# Altium PCB novena_evt1_a.PcbDoc (part 1 of 12) (continued)
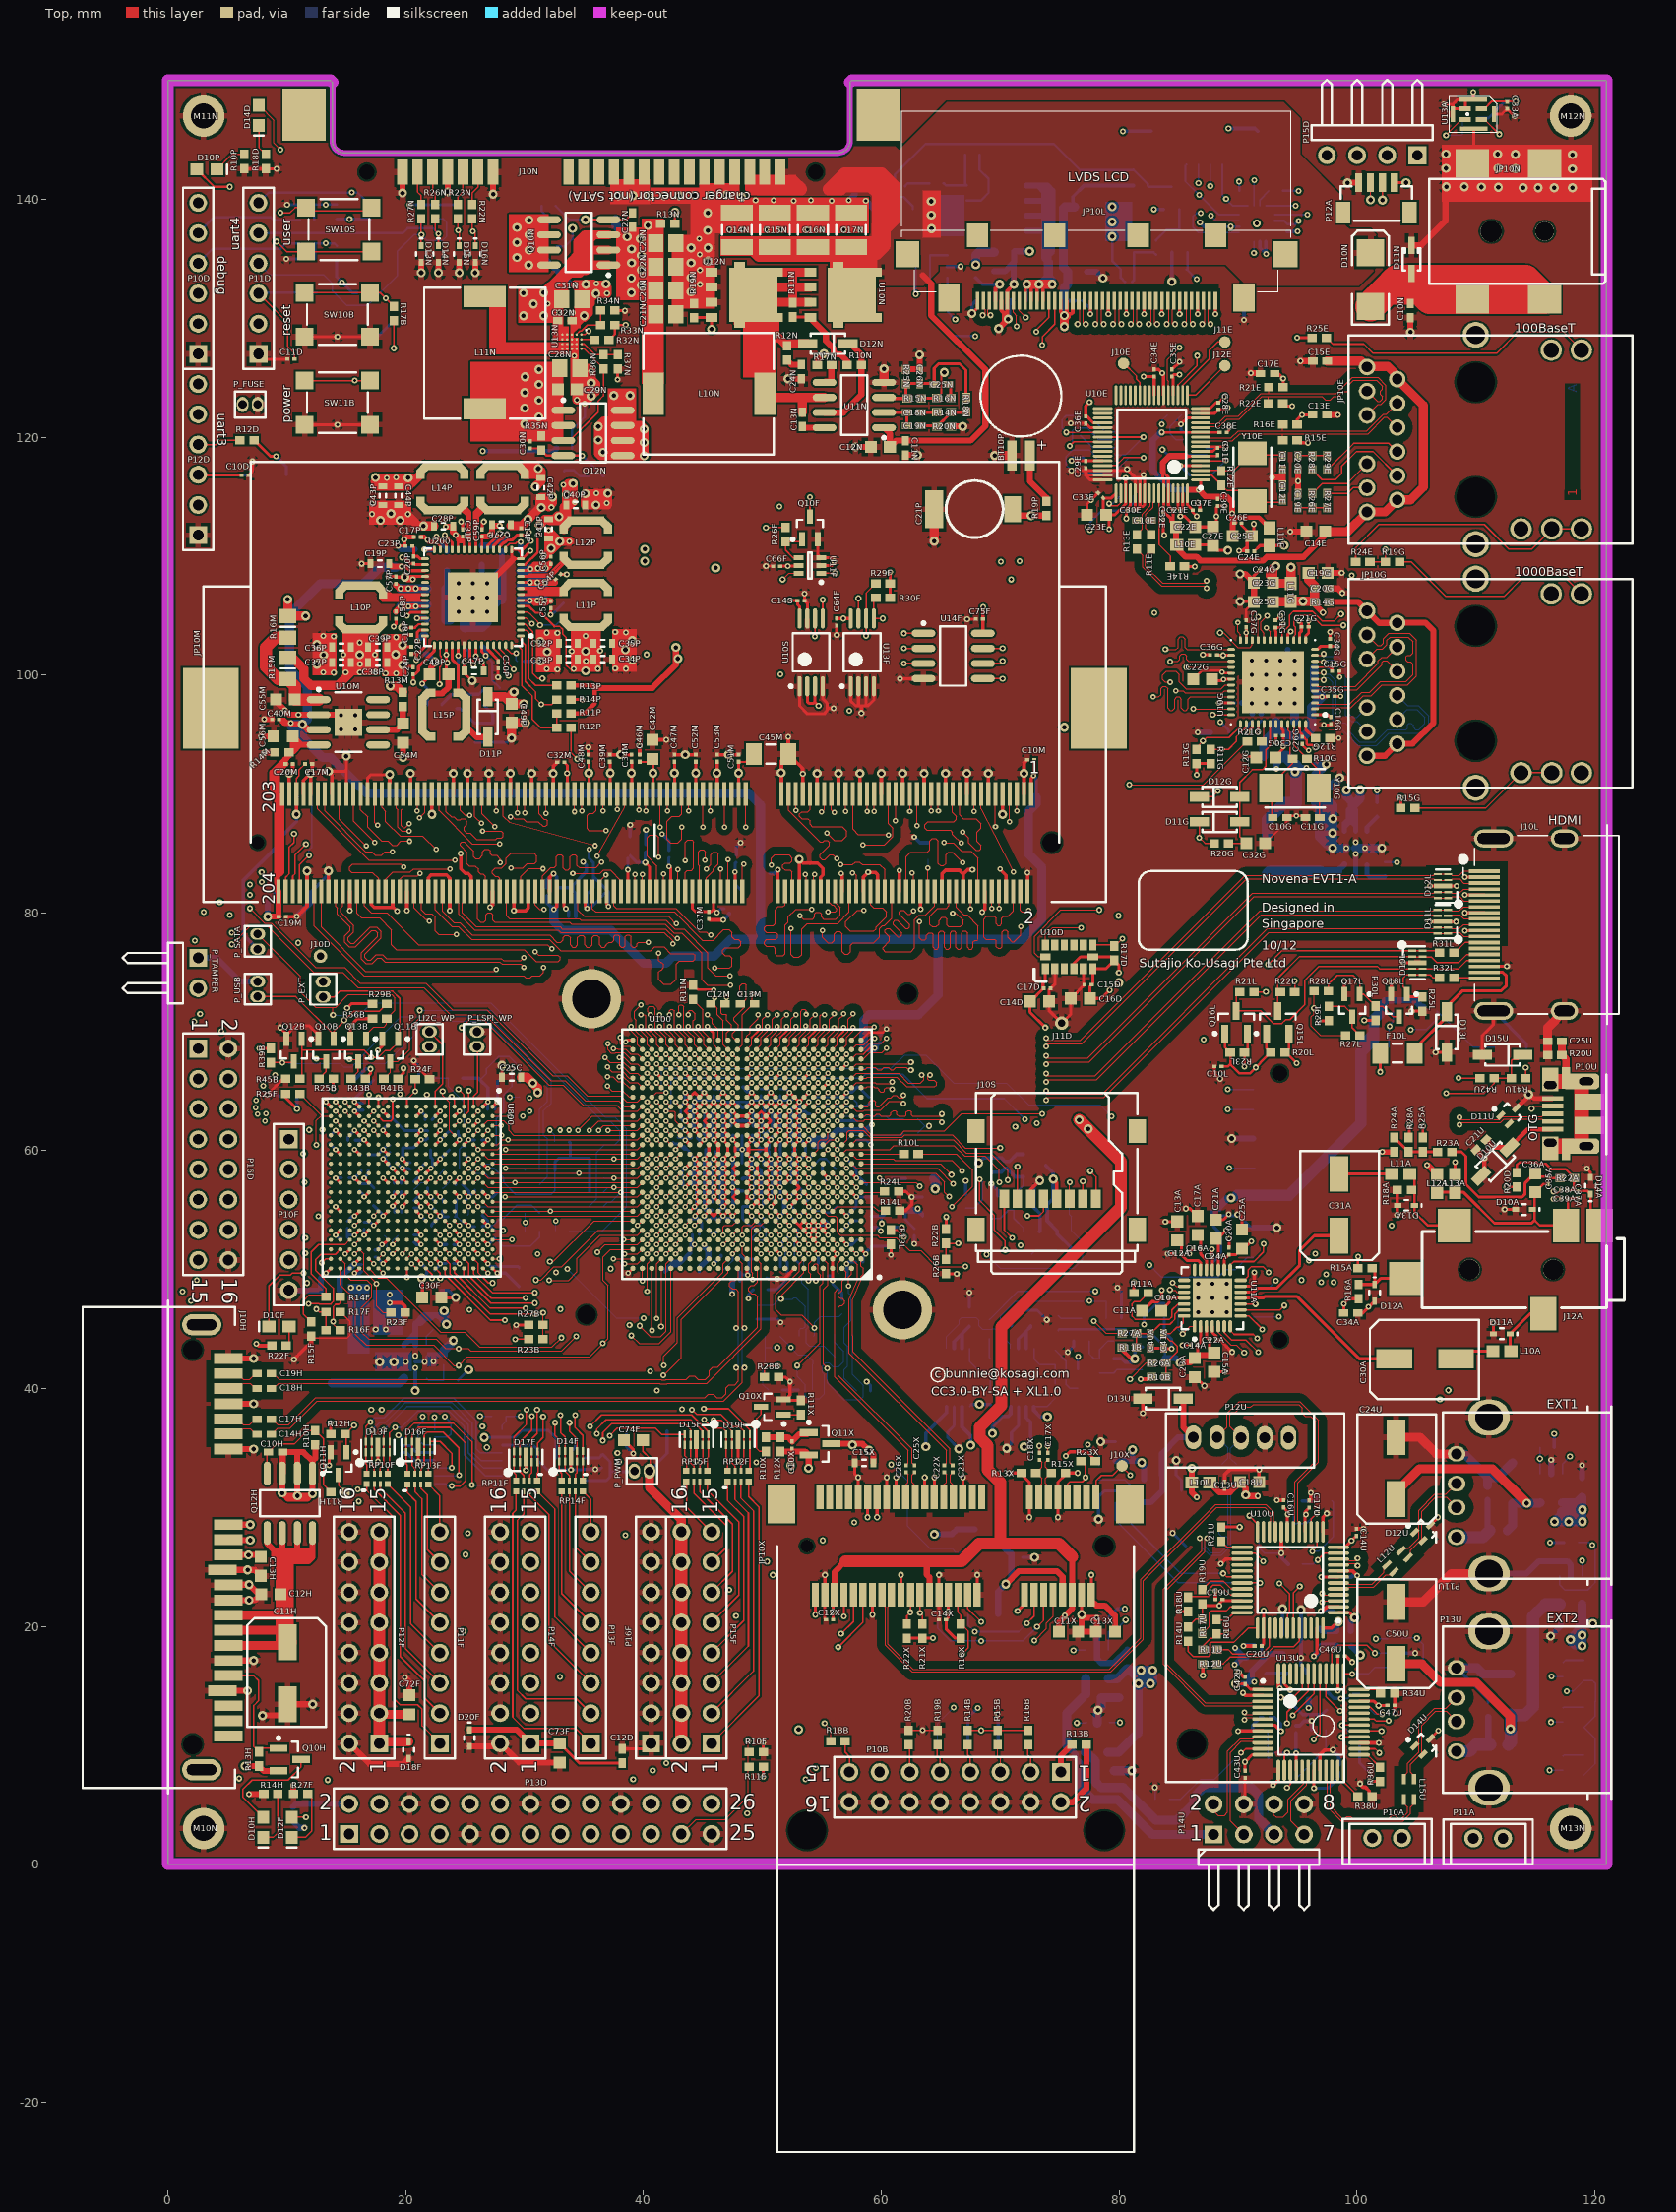
[diagram p0: Top view]
## Classes and differential pairs (continued)
net class RGM_CLK: RGMII_REF_CLK RGMII_RXCLK RGMII_RXD0 RGMII_RXD1 RGMII_RXD2 RGMII_RXD3 RGMII_RXDV RGMII_TXCLK RGMII_TXD0 RGMII_TXD1 RGMII_TXD2 RGMII_TXD3 RGMII_TXEN
net class DDR_CLK0: DDR3_CK0_N DDR3_CK0_P
net class DDR_CLK1: DDR3_CK1_N DDR3_CK1_P
net class DDR_CTL: DDR3_A0 DDR3_A1 DDR3_A2 DDR3_A3 DDR3_A4 DDR3_A5 DDR3_A6 DDR3_A7 DDR3_A8 DDR3_A9 DDR3_A10 DDR3_A11 DDR3_A12 DDR3_A13 DDR3_A14 DDR3_A15 DDR3_BA0 DDR3_BA1 DDR3_BA2 DDR3_CAS DDR3_CKE0 DDR3_CKE1 DDR3_CS0 DDR3_CS1 DDR3_ODT0 DDR3_ODT1 DDR3_RAS DDR3_RESET DDR3_WE
net class CCLK: ECSPI3_SCLK
differential pair CLK2: +CLK2_P -CLK2_N
differential pair DDR3_CK0: +DDR3_CK0_P -DDR3_CK0_N
differential pair DDR3_CK1: +DDR3_CK1_P -DDR3_CK1_N
differential pair DDR3_DQS0: +DDR3_DQS0_P -DDR3_DQS0_N
differential pair DDR3_DQS1: +DDR3_DQS1_P -DDR3_DQS1_N
differential pair DDR3_DQS2: +DDR3_DQS2_P -DDR3_DQS2_N
differential pair DDR3_DQS3: +DDR3_DQS3_P -DDR3_DQS3_N
differential pair DDR3_DQS4: +DDR3_DQS4_P -DDR3_DQS4_N
differential pair DDR3_DQS5: +DDR3_DQS5_P -DDR3_DQS5_N
differential pair DDR3_DQS6: +DDR3_DQS6_P -DDR3_DQS6_N
differential pair DDR3_DQS7: +DDR3_DQS7_P -DDR3_DQS7_N
differential pair MIC_DIFF: +MIC_DIFF_P -MIC_DIFF_N
differential pair PCIE_REFCLK: +PCIE_REFCLK_P -PCIE_REFCLK_N
differential pair PCIE_REFCLKX: +PCIE_REFCLKX_P -PCIE_REFCLKX_N
differential pair PCIE_RX: +PCIE_RX_P -PCIE_RX_N
differential pair PCIE_RXX: +PCIE_RXX_P -PCIE_RXX_N
differential pair PCIE_TX: +PCIE_TX_P -PCIE_TX_N
differential pair PCIE_TXX: +PCIE_TXX_P -PCIE_TXX_N
differential pair SATA_RX: +SATA_RX_P -SATA_RX_N
differential pair SATA_TX: +SATA_TX_P -SATA_TX_N
differential pair SATAC_RX: +SATAC_RX_P -SATAC_RX_N
differential pair SATAC_TX: +SATAC_TX_P -SATAC_TX_N
differential pair TX0_TMDS0: +TX0_TMDS0_P -TX0_TMDS0_N
differential pair TX0_TMDS1: +TX0_TMDS1_P -TX0_TMDS1_N
differential pair TX0_TMDS2: +TX0_TMDS2_P -TX0_TMDS2_N
differential pair TX0_TMDS3: +TX0_TMDS3_P -TX0_TMDS3_N
differential pair TXRXA: +TXRXA_P -TXRXA_N
differential pair TXRXB: +TXRXB_P -TXRXB_N
differential pair TXRXC: +TXRXC_P -TXRXC_N
differential pair TXRXD: +TXRXD_P -TXRXD_N
differential pair USB_ETHI: +USB_ETHI_P -USB_ETHI_N
differential pair USB_ETH: +USB_ETH_P -USB_ETH_N
differential pair USB_EXT1F: +USB_EXT1F_P -USB_EXT1F_N
differential pair USB_EXT1: +USB_EXT1_P -USB_EXT1_N
differential pair USB_EXT2F: +USB_EXT2F_P -USB_EXT2F_N
differential pair USB_EXT2: +USB_EXT2_P -USB_EXT2_N
differential pair USB_H1_D: +USB_H1_D_P -USB_H1_D_N
differential pair USB_INT: +USB_INT_P -USB_INT_N
differential pair USB_KBD: +USB_KBD_P -USB_KBD_N
differential pair USB_MOUSE: +USB_MOUSE_P -USB_MOUSE_N
differential pair USB_OPT: +USB_OPT_P -USB_OPT_N
differential pair USB_OTG: +USB_OTG_P -USB_OTG_N
differential pair USB_PCI: +USB_PCI_P -USB_PCI_N
differential pair USB_VID: +USB_VID_P -USB_VID_N
differential pair LVDS0_CLK: +LVDS0_CLK_P -LVDS0_CLK_N
differential pair LVDS0_TX_0: +LVDS0_TX_0_P -LVDS0_TX_0_N
differential pair LVDS0_TX_1: +LVDS0_TX_1_P -LVDS0_TX_1_N
differential pair LVDS0_TX_2: +LVDS0_TX_2_P -LVDS0_TX_2_N
differential pair LVDS1_CLK: +LVDS1_CLK_P -LVDS1_CLK_N
differential pair LVDS1_TX0: +LVDS1_TX0_P -LVDS1_TX0_N
differential pair LVDS1_TX1: +LVDS1_TX1_P -LVDS1_TX1_N
differential pair LVDS1_TX2: +LVDS1_TX2_P -LVDS1_TX2_N
differential pair EN100_RXI: +EN100_RXI_P -EN100_RXI_N
differential pair EN100_TXO: +EN100_TXO_P -EN100_TXO_N

## Components (designator, comment, footprint, x,y, rotation, side; value= is the part's Value field where it differs from the comment)
BT10P "ML-621S/DN (DNP)" PAN_ML-621S-DN 71.75,118.45 r270 top
C10A "0.1uF, 6.3V, X5R" CAPC0603N_B 83.9,47.65 r0 top
C10B "0.1uF, 25V, X5R (DNP)" CAPC1005N 18.9,130.3 r270 bottom
C10C "0.22uF, 6.3V, X5R 10%" CAPC0603N_B 49.375,61.325 r0 bottom
C10D "0.1uF, 6.3V, X5R" CAPC0603N_B 6.5,116.8 r0 top
C10E "3.3pF, NP0 (DNP)" CAPC1005N 82.1,113 r180 top
C10F "0.1uF, 6.3V, X5R" CAPC0603N_B 16.5,59.65 r0 bottom
C10G "33pF, NP0" CAPC1005N 93.525,88 r180 top
C10H "0.1uF, 25V, X5R" CAPC1005N 9.05,34.65 r180 top
C10L "0.1uF, 6.3V, X5R" CAPC0603N_B 88.325,67.1 r180 top
C10M "0.01uF, 10V, X5R, 10%" CAPC0603N_B 72.575,92.875 r180 top
C10N "0.1uF, 25V, X5R" CAPC1005N 104.5,130.65 r270 top
C10P "4.7uF, 10V, X5R, 10%" CAPC1608N_HD 28.875,110.4 r180 bottom
C10S "0.01uF, 10V, X5R, 10%" CAPC0603N_B 70.4,58.8 r90 bottom
C10U "4.7uF, 10V, X5R, 10% (DNP)" CAPC1608N 96.1,18.25 r180 bottom
C10X "0.1uF, 6.3V, X5R" CAPC0603N_B 52.5,35.25 r270 top
C11A "10uF, 10V, X5R, 20%" CAPC1608N 82.75,46.55 r180 top
C11B "18pF, NP0" CAPC1005N 49.55,46.25 r270 bottom
C11C "0.22uF, 6.3V, X5R 10%" CAPC0603N_B 51.275,58.125 r0 bottom
C11D "0.1uF, 6.3V, X5R" CAPC0603N_B 10.35,126.55 r180 top
C11E "33pF, NP0" CAPC1005N 93.75,117.85 r270 top
C11F "0.1uF, 6.3V, X5R" CAPC0603N_B 18.5,62.5 r90 bottom
C11G "33pF, NP0" CAPC1005N 96.275,88 r0 top
C11H "220uF, 10V, VS D" ALCAP_D 10.05,16.05 r90 top
C11L "0.1uF, 6.3V, X5R" CAPC0603N_B 54.725,57.375 r0 bottom
C11M "0.22uF, 6.3V, X5R 10%" CAPC0603N_B 50.35,83.325 r0 bottom
C11N "0.1uF, 25V, X5R" CAPC1005N 62.025,119.1 r270 top
C11P "4.7uF, 10V, X5R, 10%" CAPC1608N_HD 26.4,110.075 r270 bottom
C11S "4.7uF, 10V, X5R, 10%" CAPC1608N 73.65,55.95 r180 bottom
C11U "10uF, 10V, X5R, 20% (DNP)" CAPC1608N 96.1,19.8 r180 bottom
C11X "4.7uF, 10V, X5R, 10%" CAPC1608N 75.75,19.55 r0 top
C12A "0.1uF, 6.3V, X5R" CAPC0603N_B 84.95,51.35 r0 top
C12B "18pF, NP0" CAPC1005N 56.7,46.9 r90 bottom
C12C "0.22uF, 6.3V, X5R 10%" CAPC0603N_B 49.775,55.725 r0 bottom
C12D "0.1uF, 25V, X5R" CAPC1005N 38.2,9.1 r90 top
C12E "33pF, NP0" CAPC1005N 93.75,115.35 r90 top
C12F "0.1uF, 6.3V, X5R" CAPC0603N_B 24.1,61.625 r180 bottom
C12G "4.7uF, 10V, X5R, 10%" CAPC1608N 92.35,93.05 r180 top
C12H "10uF, 10V, X5R, 20%" CAPC1608N 8.65,22.7 r180 top
C12L "4.7uF, 10V, X5R, 10%" CAPC1608N 76.5,133.9 r0 bottom
C12M "2.2pF, NP0 (DNP)" CAPC1005N 46.25,72.35 r0 top
C12N "1.0uF, 25V, 20% X5R" CAPC1608N 59.925,119.175 r180 top
C12P "4.7uF, 10V, X5R, 10%" CAPC1608N_HD 23.475,109.575 r270 bottom
C12S "0.1uF, 6.3V, X5R" CAPC0603N_B 73.65,54.5 r180 bottom
C12U "0.1uF, 6.3V, X5R" CAPC0603N_B 98.45,24.15 r0 bottom
C12X "0.1uF, 6.3V, X5R" CAPC0603N_B 55.65,20.55 r180 top
C13A "10uF, 10V, X5R, 20%" CAPC1608N 84.9,53.25 r90 top
C13B "18pF, NP0" CAPC1005N 51.1,39.875 r0 bottom
C13C "0.22uF, 6.3V, X5R 10%" CAPC0603N_B 47.275,58.9 r180 bottom
C13D "0.1uF, 25V, X5R" CAPC1005N 10.5,4.2 r270 bottom
C13E "0.1uF, 25V, X5R" CAPC1005N 96.875,121.875 r180 top
C13F "0.1uF, 6.3V, X5R" CAPC0603N_B 13.6,60.925 r270 bottom
C13G "22uF, 6.3V, X5R, 20%" CAPC1608N_HD 95.75,92.95 r0 bottom
C13H "10uF, 10V, X5R, 20%" CAPC1608N 7.8,25.05 r270 top
C13L "0.1uF, 6.3V, X5R" CAPC0603N_B 76.6,131.475 r0 bottom
C13M "2.2pF, NP0 (DNP)" CAPC1005N 48.75,72.35 r180 top
C13N "0.1uF, 25V, X5R" CAPC1005N 53.35,121.5 r90 top
C13P "4.7uF, 10V, X5R, 10%" CAPC1608N_HD 21.55,110.575 r180 bottom
C13S "0.1uF, 6.3V, X5R" CAPC0603N_B 88.5,54.7 r270 bottom
C13U "0.1uF, 6.3V, X5R" CAPC0603N_B 88.875,31.85 r90 top
C13X "4.7uF, 10V, X5R, 10%" CAPC1608N 78.85,19.55 r180 top
C14A "0.1uF, 6.3V, X5R" CAPC0603N_B 86.3,43.65 r0 top
C14B "18pF, NP0" CAPC1005N 53.625,39.875 r180 bottom
C14C "0.22uF, 6.3V, X5R 10%" CAPC0603N_B 47.275,58.1 r180 bottom
C14D "10uF, 10V, X5R, 20%" CAPC1608N 73.3,72.55 r0 top
C14E "4.7uF, 10V, X5R, 10%" CAPC1608N 96.55,112.05 r180 top
C14F "0.1uF, 6.3V, X5R" CAPC0603N_B 14.875,52.625 r0 bottom
C14G "10uF, 10V, X5R, 20%" CAPC1608N 93.975,96.075 r0 bottom
C14H "10nF, X7R, 50V 10%" CAPC1005N 8.1,36.15 r180 top
C14L "0.1uF, 6.3V, X5R" CAPC0603N_B 80.8,133.05 r0 bottom
C14M "0.01uF, 10V, X5R, 10%" CAPC0603N_B 31.85,81.8 r90 bottom
C14N "22uF, 25V, X5R, 10%" CAPC3225N 47.85,137.425 r90 top
C14P "0.1uF, 6.3V, X5R" CAPC0603N_B 29.7,112.05 r90 top
C14S "0.1uF, 6.3V, X5R" CAPC0603N_B 53.25,106.25 r0 top
C14U "0.1uF, 6.3V, X5R" CAPC0603N_B 99.95,27.9 r90 top
C14X "0.1uF, 6.3V, X5R" CAPC0603N_B 65.15,20.55 r180 top
C15A "1.0uF, 25V, 20% X5R" CAPC1608N 88,42.2 r90 top
C15C "0.22uF, 6.3V, X5R 10%" CAPC0603N_B 52.875,62.1 r0 bottom
C15D "0.1uF, 6.3V, X5R" CAPC0603N_B 77.4,73.95 r180 top
C15E "0.1uF, 25V, X5R" CAPC1005N 96.9,126.4 r180 top
C15F "0.1uF, 6.3V, X5R" CAPC0603N_B 17.4,51.35 r270 bottom
C15G "0.1uF, 6.3V, X5R" CAPC0603N_B 98.225,100.325 r0 top
C15H "4.7uF, 10V, X5R, 10%" CAPC1608N_HD 57.075,55.3 r0 bottom
C15L "1.0uF, 25V, 20% X5R" CAPC1608N 69.5,134.75 r270 bottom
C15M "0.22uF, 6.3V, X5R 10%" CAPC0603N_B 32.7,81.8 r90 bottom
C15N "22uF, 25V, X5R, 10%" CAPC3225N 51.05,137.425 r90 top
C15P "4.7uF, 10V, X5R, 10%" CAPC1608N_HD 22.6,104.6 r0 bottom
C15U "0.1uF, 6.3V, X5R" CAPC0603N_B 98.45,21.15 r180 bottom
C15X "22uF, 6.3V, X5R, 20%" CAPC1608N_HD 58.55,33.75 r180 top
C16A "0.1uF, 6.3V, X5R" CAPC0603N_B 86.55,51.8 r0 top
C16C "0.22uF, 6.3V, X5R 10%" CAPC0603N_B 52.875,61.3 r0 bottom
C16D "10uF, 10V, X5R, 20%" CAPC1608N 76.75,72.8 r180 top
C16E "0.1uF, 6.3V, X5R" CAPC0603N_B 87.35,118.8 r90 bottom
C16F "0.1uF, 6.3V, X5R" CAPC0603N_B 16.3,50.125 r270 bottom
C16G "0.1uF, 6.3V, X5R" CAPC0603N_B 97.8,96.175 r270 top
C16H "0.22uF, 6.3V, X5R 10%" CAPC0603N_B 51.3,62.875 r180 bottom
C16L "10uF, 10V, X5R, 20%" CAPC1608N 68.8,131.5 r180 bottom
C16M "0.1uF, 6.3V, X5R" CAPC0603N_B 59.95,69.375 r90 bottom
C16N "22uF, 25V, X5R, 10% (DNP)" CAPC3225N 54.25,137.425 r90 top
C16P "4.7uF, 10V, X5R, 10%" CAPC1608N_HD 21.675,102.55 r270 bottom
C16U "0.1uF, 6.3V, X5R" CAPC0603N_B 93.825,30.3 r90 top
C16X "0.1uF, 6.3V, X5R" CAPC0603N_B 71.6,25.8 r0 bottom
C17A "10uF, 10V, X5R, 20%" CAPC1608N 86.6,53.7 r90 top
C17C "10uF, 10V, X5R, 20%" CAPC1608N_HD 47.325,51.2 r0 bottom
C17D "0.1uF, 6.3V, X5R" CAPC0603N_B 73.95,73.65 r0 top
C17E "0.1uF, 25V, X5R" CAPC1005N 92.5,125.35 r180 top
C17F "0.1uF, 6.3V, X5R" CAPC0603N_B 23.7,50.5 r180 bottom
C17G "10uF, 10V, X5R, 20%" CAPC1608N 88.45,95.325 r180 bottom
C17H "10nF, X7R, 50V 10%" CAPC1005N 8.1,37.4 r180 top
C17L "0.1uF, 25V, X5R" CAPC1005N 71.6,131.475 r180 bottom
C17M "0.22uF, 6.3V, X5R 10%" CAPC0603N_B 11.825,92.525 r0 top
C17N "22uF, 25V, X5R, 10% (DNP)" CAPC3225N 57.45,137.425 r90 top
C17P "0.1uF, 6.3V, X5R" CAPC0603N_B 20.975,111.6 r180 top
C17U "0.1uF, 6.3V, X5R" CAPC0603N_B 96,30.275 r90 top
C17X "0.1uF, 6.3V, X5R" CAPC0603N_B 74,34.3 r90 top
C18A "1.0uF, 25V, 20% X5R" CAPC1608N 71.75,36.3 r0 bottom
C18C "22uF, 6.3V, X5R, 20%" CAPC1608N_HD 48.325,55.725 r270 bottom
C18D "0.1uF, 6.3V, X5R" CAPC0603N_B 88.6,137.7 r180 bottom
C18E "0.1uF, 25V, X5R (DNP)" CAPC1005N 78.05,117.6 r90 bottom
C18F "0.1uF, 6.3V, X5R" CAPC0603N_B 22.125,49.925 r0 bottom
C18G "0.1uF, 6.3V, X5R" CAPC0603N_B 91.95,96.45 r90 bottom
C18H "10nF, X7R, 50V 10%" CAPC1005N 8.1,40 r180 top
C18L "22uF, 25V, X5R, 10%" CAPC3225N 72.6,134.7 r180 bottom
C18M "47uF, 6.3V, 20% X5R" CAPC3216N 10.55,81.575 r0 bottom
C18N "330pF, X7R, 10%" CAPC1005N 62.75,122.075 r0 top
C18P "0.1uF, 6.3V, X5R" CAPC0603N_B 20.475,103.675 r270 top
C18U "4.7uF, 10V, X5R, 10%" CAPC1608N 90.975,32.125 r0 top
C18X "0.1uF, 6.3V, X5R" CAPC0603N_B 73.3,34.3 r90 top
C19A "1.0uF, 25V, 20% X5R" CAPC1608N 71.75,45.25 r0 bottom
C19C "0.22uF, 6.3V, X5R 10%" CAPC0603N_B 51.15,61.2 r0 bottom
C19D "0.1uF, 6.3V, X5R" CAPC0603N_B 94.15,137.6 r270 bottom
C19E "0.1uF, 25V, X5R" CAPC1005N 95.05,114.65 r90 top
C19F "0.1uF, 6.3V, X5R" CAPC0603N_B 16.4,63.7 r90 bottom
C19G "4.7uF, 10V, X5R, 10%" CAPC1608N 96.75,108.575 r0 top
C19H "10nF, X7R, 50V 10%" CAPC1005N 8.1,41.25 r180 top
C19L "0.1uF, 25V, X5R" CAPC1005N 67.65,143.75 r180 bottom
C19M "0.22uF, 6.3V, X5R 10%" CAPC0603N_B 9.625,79.675 r0 top
C19N "8.2 pF, NP0" CAPC1005N 62.75,120.95 r0 top
C19P "1.0uF, 25V, 20% X5R" CAPC1608N_HD 17.825,109.35 r180 top
C19U "0.1uF, 6.3V, X5R" CAPC0603N_B 88.4,22.275 r180 top
C19X "4.7uF, 10V, X5R, 10%" CAPC1608N_HD 57.95,61.7 r270 bottom
C20A "0.1uF, 6.3V, X5R" CAPC0603N_B 89.25,51.55 r270 top
C20C "0.22uF, 6.3V, X5R 10%" CAPC0603N_B 51.25,56.5 r0 bottom
C20E "0.1uF, 25V, X5R" CAPC1005N 95.05,117.85 r270 top
C20F "1.0uF, 25V, 20% X5R" CAPC1608N 22.2,48.25 r180 bottom
C20G "0.1uF, 25V, X5R" CAPC1005N 97.05,107.275 r0 top
C20H "4.7uF, 10V, X5R, 10%" CAPC1608N_HD 57.95,64.55 r90 bottom
C20L "4.7uF, 10V, X5R, 10%" CAPC1608N_HD 49.175,51.675 r270 bottom
C20M "0.01uF, 10V, X5R, 10%" CAPC0603N_B 10.2,92.525 r0 top
C20N "22uF, 10V, X5R, 20%" CAPC2012N 41.875,132.325 r0 top
C20P "0.1uF, 6.3V, X5R" CAPC0603N_B 20.675,109.675 r90 top
C20U "0.1uF, 6.3V, X5R" CAPC0603N_B 91.7,18.35 r180 top
C20X "0.1uF, 6.3V, X5R" CAPC0603N_B 55.275,54.475 r270 bottom
C21A "1.0uF, 25V, 20% X5R" CAPC1608N 88.125,53.4 r270 top
C21C "0.22uF, 6.3V, X5R 10%" CAPC0603N_B 51.425,55.675 r0 bottom
C21E "0.1uF, 6.3V, X5R" CAPC0603N_B 84.85,113.85 r0 top
C21F "10uF, 10V, X5R, 20%" CAPC1608N 16.5,65.95 r0 bottom
C21G "0.1uF, 6.3V, X5R" CAPC0603N_B 95.65,104.05 r0 top
C21H "0.22uF, 6.3V, X5R 10%" CAPC0603N_B 54.725,58.9 r0 bottom
C21L "0.1uF, 6.3V, X5R" CAPC0603N_B 47.225,62.9 r180 bottom
C21M "0.22uF, 6.3V, X5R 10%" CAPC0603N_B 49.878,63.622 r0 bottom
C21N "22uF, 10V, X5R, 20%" CAPC2012N 41.866,130.325 r0 top
C21P "0.06F 3.3V coin supercap" TAIYO_YUDEN_PAS414HR-VA5R 67.85,113.95 r180 top
C21U "0.1uF, 25V, X5R" CAPC1005N 110.45,60.5 r225 top
C21X "0.1uF, 6.3V, X5R" CAPC0603N_B 66,33.25 r90 top
C22A "0.1uF, 6.3V, X5R" CAPC0603N_B 87.9,44.1 r180 top
C22C "22uF, 6.3V, X5R, 20%" CAPC1608N_HD 49.6,60.125 r180 bottom
C22E "4.7uF, 10V, X5R, 10%" CAPC1608N 85.6,112.45 r0 top
C22F "0.1uF, 6.3V, X5R" CAPC0603N_B 26.1,60.9 r180 bottom
C22G "10uF, 10V, X5R, 20%" CAPC1608N 87.025,99.625 r180 top
C22L "4.7uF, 10V, X5R, 10%" CAPC1608N_HD 59.2,52.75 r270 bottom
C22M "0.22uF, 6.3V, X5R 10%" CAPC0603N_B 53.106,64.597 r0 bottom
C22N "22uF, 10V, X5R, 20% (DNP)" CAPC2012N 41.875,134.325 r0 top
C22P "0.1uF, 6.3V, X5R" CAPC0603N_B 20.475,102.075 r90 top
C22U "1.0uF, 25V, 20% X5R" CAPC1608N 118.95,31.65 r90 bottom
C22X "0.1uF, 6.3V, X5R" CAPC0603N_B 65.3,33.25 r90 top
C23A "10uF, 10V, X5R, 20%" CAPC1608N 86.35,41.75 r270 top
C23C "0.22uF, 6.3V, X5R 10%" CAPC0603N_B 49.675,57.3 r0 bottom
C23E "4.7uF, 10V, X5R, 10%" CAPC1608N 78.1,113.45 r180 top
C23F "0.1uF, 6.3V, X5R" CAPC0603N_B 27.225,63.45 r0 bottom
C23G "10uF, 10V, X5R, 20%" CAPC1608N 92.15,107.75 r180 top
C23L "0.1uF, 6.3V, X5R" CAPC0603N_B 58.95,64.2 r90 bottom
C23M "0.22uF, 6.3V, X5R 10%" CAPC0603N_B 51.5,64.875 r90 bottom
C23N "22uF, 10V, X5R, 20% (DNP)" CAPC2012N 41.875,136.325 r0 top
C23P "0.1uF, 6.3V, X5R" CAPC0603N_B 20.25,110.85 r180 top
C23U "0.1uF, 25V, X5R" CAPC1005N 111,31.25 r90 bottom
C23X "4.7uF, 10V, X5R, 10%" CAPC1608N_HD 59.125,55.3 r90 bottom
C24A "0.1uF, 6.3V, X5R" CAPC0603N_B 88.1,51.1 r0 top
C24C "0.22uF, 6.3V, X5R 10%" CAPC0603N_B 49.675,56.5 r0 bottom
C24E "0.1uF, 6.3V, X5R" CAPC0603N_B 91.075,110.4 r180 top
C24F "0.1uF, 6.3V, X5R" CAPC0603N_B 27.5,52.95 r90 bottom
C24G "0.1uF, 6.3V, X5R" CAPC0603N_B 92.15,108.85 r180 top
C24M "0.01uF, 10V, X5R, 10%" CAPC0603N_B 47.079,64.226 r90 bottom
C24N "470pF, X7R, 10%" CAPC1005N 53.275,125.5 r270 top
C24P "0.1uF, 6.3V, X5R" CAPC0603N_B 20.625,100.35 r90 top
C24U "220uF, 10V, VS D" ALCAP_D 103.3,33.3 r270 top
C24X "0.1uF, 6.3V, X5R" CAPC0603N_B 53.075,54.95 r180 bottom
C25A "1.0uF, 25V, 20% X5R" CAPC1608N 90.35,52.55 r270 top
C25C "22uF, 6.3V, X5R, 20%" CAPC1608N_HD 28.9,66.175 r180 top
C25E "4.7uF, 10V, X5R, 10%" CAPC1608N 90.35,111.675 r0 top
C25F "0.1uF, 6.3V, X5R" CAPC0603N_B 23.875,54.425 r180 bottom
C25G "10uF, 10V, X5R, 20%" CAPC1608N 92.15,106.15 r180 top
C25M "0.01uF, 10V, X5R, 10%" CAPC0603N_B 44.623,64.877 r90 bottom
C25N "330pF, X7R, 10%" CAPC1005N 65.05,124.425 r180 top
C25P "4.7uF, 10V, X5R, 10%" CAPC1608N_HD 28.875,106.325 r180 bottom
C25U "0.1uF, 25V, X5R" CAPC1005N 116.65,69.2 r180 top
C25X "0.1uF, 6.3V, X5R" CAPC0603N_B 62.8,33.25 r90 top
C26A "10uF, 10V, X5R, 20%" CAPC1608N 76.55,40.825 r270 bottom
C26C "0.22uF, 6.3V, X5R 10%" CAPC0603N_B 49.675,58.125 r0 bottom
C26E "0.1uF, 6.3V, X5R" CAPC0603N_B 90,112.775 r0 top
C26F "0.1uF, 6.3V, X5R" CAPC0603N_B 24.55,55.65 r0 bottom
C26G "0.1uF, 6.3V, X5R" CAPC0603N_B 95.4,94.5 r270 top
C26M "0.01uF, 10V, X5R, 10%" CAPC0603N_B 43.3,63.3 r180 bottom
C26N "DNP" CAPC1005N 63.225,125.1 r90 top
C26P "4.7uF, 10V, X5R, 10%" CAPC1608N_HD 28.875,107.525 r180 bottom
C26U "1.0uF, 25V, 20% X5R" CAPC1608N 79.7,34.725 r90 bottom
C26X "0.1uF, 6.3V, X5R" CAPC0603N_B 62.1,33.25 r90 top
C27A "1.0uF, 25V, 20% X5R" CAPC1608N 66.4,36.35 r0 bottom
C27C "0.22uF, 6.3V, X5R 10%" CAPC0603N_B 51.25,57.3 r0 bottom
C27E "4.7uF, 10V, X5R, 10%" CAPC1608N 87.9,111.65 r90 top
C27F "0.1uF, 6.3V, X5R" CAPC0603N_B 24.975,60.05 r90 bottom
C27G "10uF, 10V, X5R, 20%" CAPC1608N 95.7,89.225 r180 bottom
C27M "22uF, 6.3V, X5R, 20%" CAPC1608N_HD 48.325,64.55 r90 bottom
C27N "0.1uF, 25V, X5R" CAPC1005N 39.075,138.25 r90 top
C27P "4.7uF, 10V, X5R, 10%" CAPC1608N_HD 28.05,112.625 r0 top
C27U "4.7uF, 10V, X5R, 10%" CAPC1608N_HD 51.175,49.225 r180 bottom
C27X "4.7uF, 10V, X5R, 10%" CAPC1608N_HD 56.4,49.75 r180 bottom
C28A "10uF, 10V, X5R, 20%" CAPC1608N 69.1,45 r270 bottom
C28C "0.22uF, 6.3V, X5R 10%" CAPC0603N_B 44.4,52.95 r180 bottom
C28E "0.1uF, 6.3V, X5R" CAPC0603N_B 88.35,122.6 r270 top
C28F "0.1uF, 6.3V, X5R" CAPC0603N_B 21.925,62.6 r0 bottom
C28G "10uF, 10V, X5R, 20%" CAPC1608N 95.7,90.725 r180 bottom
C28M "0.22uF, 6.3V, X5R 10%" CAPC0603N_B 49.875,64.875 r90 bottom
C28N "22uF, 10V, X5R, 20%" CAPC2012N 33.8,125.8 r0 top
C28P "4.7uF, 10V, X5R, 10%" CAPC1608N_HD 23.175,112.525 r180 top
C28U "0.22uF, 6.3V, X5R 10%" CAPC0603N_B 51.7,50.15 r180 bottom
C28X "0.1uF, 6.3V, X5R" CAPC0603N_B 51.5,54.975 r0 bottom
C29A "1.0uF, 25V, 20% X5R" CAPC1608N 67.4,46.025 r270 bottom
C29C "22uF, 6.3V, X5R, 20%" CAPC1608N_HD 48.325,58.275 r90 bottom
C29E "0.1uF, 6.3V, X5R" CAPC0603N_B 77.2,117.7 r270 top
C29F "0.1uF, 6.3V, X5R" CAPC0603N_B 28.45,49.975 r270 bottom
C29G "4.7uF, 10V, X5R, 10%" CAPC1608N 98.8,89 r180 bottom
C29M "0.22uF, 6.3V, X5R 10%" CAPC0603N_B 44.725,62.9 r0 bottom
C29N "10uF, 10V, X5R, 20% (DNP)" CAPC1608N 33.6,124.025 r0 top
C29P "4.7uF, 10V, X5R, 10%" CAPC1608N_HD 22.575,105.925 r0 bottom
C29U "10uF, 10V, X5R, 20%" CAPC1608N 84.45,31.425 r0 bottom
C30A "220uF, 10V, VS D" ALCAP_D 105.75,42.5 r180 top
C30C "0.22uF, 6.3V, X5R 10%" CAPC0603N_B 47.275,57.3 r180 bottom
C30E "0.1uF, 6.3V, X5R" CAPC0603N_B 81,113.85 r0 top
C30F "1.0uF, 25V, 20% X5R" CAPC1608N 22.2,47.65 r180 top
C30G "0.1uF, 6.3V, X5R" CAPC0603N_B 93.5,94.9 r0 top
C30M "0.22uF, 6.3V, X5R 10%" CAPC0603N_B 44.725,62.15 r0 bottom
C30N "0.1uF, 6.3V, X5R" CAPC0603N_B 30.45,119.35 r270 top
C30P "4.7uF, 10V, X5R, 10%" CAPC1608N_HD 22.6,107.25 r0 bottom
C30U "0.1uF, 25V, X5R" CAPC1005N 84.2,32.725 r0 bottom
C31A "220uF, 10V, VS D" ALCAP_D 98.5,55.45 r270 top
C31C "0.22uF, 6.3V, X5R 10%" CAPC0603N_B 47.25,55.7 r180 bottom
C31E "0.1uF, 6.3V, X5R" CAPC0603N_B 88.3,118.8 r90 top
C31F "10uF, 10V, X5R, 20%" CAPC1608N 13.65,48.225 r180 bottom
C31G "0.1uF, 6.3V, X5R" CAPC0603N_B 93.15,104.296 r90 top
C31M "0.22uF, 6.3V, X5R 10%" CAPC0603N_B 45.895,64.864 r90 bottom
C31N "22uF, 10V, X5R, 20%" CAPC2012N 33.975,131.6 r0 top
C31P "0.1uF, 6.3V, X5R" CAPC0603N_B 24.8,111.95 r90 top
C31U "8.2 pF, NP0" CAPC1005N 97.3,30.55 r180 bottom
C32A "0.1uF, 6.3V, X5R" CAPC0603N_B 80.55,41.9 r90 bottom
C32C "0.22uF, 6.3V, X5R 10%" CAPC0603N_B 47.25,56.5 r180 bottom
C32E "0.1uF, 6.3V, X5R" CAPC0603N_B 83.7,113.4 r270 top
C32F "0.1uF, 6.3V, X5R" CAPC0603N_B 14.9,57.7 r0 bottom
C32G "10uF, 10V, X5R, 20%" CAPC1608N 91.5,85.85 r0 top
C32M "0.22uF, 6.3V, X5R 10%" CAPC0603N_B 33.05,92.65 r180 top
C32N "10nF, X7R, 50V 10%" CAPC1005N 33.375,129.8 r0 top
C32P "22uF, 6.3V, X5R, 20%" CAPC1608N_HD 33.675,102.675 r180 top
C32U "8.2 pF, NP0" CAPC1005N 94.8,30.55 r0 bottom
C33A "0.1uF, 6.3V, X5R" CAPC0603N_B 112.65,147.9 r90 top
C33C "0.22uF, 6.3V, X5R 10%" CAPC0603N_B 52.9,62.875 r0 bottom
C33E "0.1uF, 6.3V, X5R" CAPC0603N_B 78.45,115.1 r135 top
C33F "0.1uF, 6.3V, X5R" CAPC0603N_B 16.5,53.7 r90 bottom
C33G "0.1uF, 6.3V, X5R" CAPC0603N_B 91.2,96.45 r90 bottom
C33M "0.22uF, 6.3V, X5R 10%" CAPC0603N_B 47.8,84.55 r90 bottom
C33P "22uF, 6.3V, X5R, 20%" CAPC1608N_HD 33.675,101.325 r180 top
C33U "0.22uF, 6.3V, X5R 10%" CAPC0603N_B 56.725,52.975 r270 bottom
C34A "0.1uF, 25V, X5R" CAPC1005N 99.5,46.35 r180 top
C34C "22uF, 6.3V, X5R, 20%" CAPC1608N_HD 52.15,60.125 r180 bottom
C34E "0.1uF, 6.3V, X5R" CAPC0603N_B 82.95,125.4 r90 top
C34F "0.1uF, 6.3V, X5R" CAPC0603N_B 26.125,56.675 r180 bottom
C34G "0.1uF, 6.3V, X5R" CAPC0603N_B 97.75,102.725 r90 top
C34M "0.22uF, 6.3V, X5R 10%" CAPC0603N_B 39,93 r90 top
C34P "22uF, 6.3V, X5R, 20%" CAPC1608N_HD 36.575,101.325 r0 top
C34U "10uF, 10V, X5R, 20%" CAPC1608N_HD 57.95,53.3 r270 bottom
C35A "0.1uF, 6.3V, X5R" CAPC0603N_B 116.1,57.5 r90 top
C35C "0.22uF, 6.3V, X5R 10%" CAPC0603N_B 54.725,58.1 r0 bottom
C35E "0.1uF, 6.3V, X5R" CAPC0603N_B 84.45,125.4 r90 top
C35F "0.1uF, 6.3V, X5R" CAPC0603N_B 20.375,58.7 r270 bottom
C35G "0.1uF, 6.3V, X5R" CAPC0603N_B 97.85,98.2 r0 top
C35M "0.22uF, 6.3V, X5R 10%" CAPC0603N_B 47,80.15 r315 bottom
C35P "22uF, 6.3V, X5R, 20%" CAPC1608N_HD 36.575,102.675 r0 top
C36A "10uF, 10V, X5R, 20%" CAPC1608N 115,57.3 r270 top
C36C "0.22uF, 6.3V, X5R 10%" CAPC0603N_B 49.9,58.825 r180 bottom
C36E "0.1uF, 6.3V, X5R" CAPC0603N_B 77.2,121.45 r270 top
C36F "0.1uF, 6.3V, X5R" CAPC0603N_B 21.85,61.35 r90 bottom
C36G "0.1uF, 6.3V, X5R" CAPC0603N_B 87.95,101.7 r180 top
C36M "0.22uF, 6.3V, X5R 10%" CAPC0603N_B 34,79.675 r0 bottom
C36P "22uF, 6.3V, X5R, 20%" CAPC1608N_HD 14.6,102.35 r180 top
C36U "0.22uF, 6.3V, X5R 10%" CAPC0603N_B 51.7,50.825 r180 bottom
C37A "0.01uF, 10V, X5R, 10%" CAPC0603N_B 118.6,56.3 r270 top
C37C "0.22uF, 6.3V, X5R 10%" CAPC0603N_B 49.375,53.825 r270 bottom
C37E "0.1uF, 6.3V, X5R" CAPC0603N_B 86.5,113.85 r0 top
C37F "0.1uF, 6.3V, X5R" CAPC0603N_B 16.55,58.325 r180 bottom
C37G "0.1uF, 6.3V, X5R" CAPC0603N_B 90.7,104.3 r90 top
C37M "0.22uF, 6.3V, X5R 10%" CAPC0603N_B 45.5,79.775 r270 top
C37P "22uF, 6.3V, X5R, 20%" CAPC1608N_HD 14.6,101.05 r180 top
C37U "4.7uF, 10V, X5R, 10% (DNP)" CAPC1608N 97.45,13.75 r90 bottom
C38A "0.1uF, 6.3V, X5R" CAPC0603N_B 117.45,56.7 r0 top
C38C "0.22uF, 6.3V, X5R 10%" CAPC0603N_B 49.7,62.875 r0 bottom
C38E "0.1uF, 6.3V, X5R" CAPC0603N_B 88.75,120.4 r0 top
C38F "0.1uF, 6.3V, X5R" CAPC0603N_B 16.125,56.925 r90 bottom
C38M "0.22uF, 6.3V, X5R 10%" CAPC0603N_B 42.15,84.95 r90 bottom
C38P "22uF, 6.3V, X5R, 20%" CAPC1608N_HD 17.65,101.05 r0 top
C38U "10uF, 10V, X5R, 20% (DNP)" CAPC1608N 94.95,16.05 r0 bottom
C39A "0.1uF, 6.3V, X5R" CAPC0603N_B 117.45,55.95 r0 top
C39C "0.22uF, 6.3V, X5R 10%" CAPC0603N_B 49.7,62.1 r0 bottom
C39E "0.1uF, 6.3V, X5R" CAPC0603N_B 88.3,114.5 r270 top
C39F "0.1uF, 6.3V, X5R" CAPC0603N_B 26.125,53.625 r0 bottom
C39G "0.1uF, 6.3V, X5R" CAPC0603N_B 90.05,97.65 r0 bottom
C39M "0.22uF, 6.3V, X5R 10%" CAPC0603N_B 37.15,93 r90 top
C39P "22uF, 6.3V, X5R, 20%" CAPC1608N_HD 17.65,102.35 r0 top
C39U "0.1uF, 6.3V, X5R" CAPC0603N_B 98.5,8.05 r90 bottom
C40A "2200pF, X7R, 50V, 10%" CAPC1005N 82.65,44 r90 top
C40C "0.22uF, 6.3V, X5R 10%" CAPC0603N_B 62.775,53.15 r270 bottom
C40F "1.0uF, 25V, 20% X5R" CAPC1608N 29.55,49.35 r90 bottom
C40G "0.1uF, 6.3V, X5R" CAPC0603N_B 94.2,102.4 r270 bottom
C40M "0.1uF, 6.3V, X5R" CAPC0603N_B 9.05,96.275 r180 top
C40P "22uF, 6.3V, X5R, 20%" CAPC1608N_HD 34.3,114.3 r0 top
C40U "0.1uF, 6.3V, X5R" CAPC0603N_B 94.875,11.35 r90 bottom
C41A "2200pF, X7R, 50V, 10%" CAPC1005N 83.75,44 r90 top
C41C "0.22uF, 6.3V, X5R 10%" CAPC0603N_B 47.225,62.1 r180 bottom
C41F "10uF, 10V, X5R, 20%" CAPC1608N 10.15,64.55 r180 bottom
C41M "1.0uF, 25V, 20% X5R" CAPC1608N 38.875,85.6 r90 bottom
C41P "22uF, 6.3V, X5R, 20%" CAPC1608N_HD 32.025,112.275 r270 top
C41U "0.1uF, 6.3V, X5R" CAPC0603N_B 91.7,18.45 r180 bottom
C42C "22uF, 6.3V, X5R, 20%" CAPC1608N_HD 48.325,62 r270 bottom
C42F "0.1uF, 6.3V, X5R" CAPC0603N_B 22.875,55.65 r180 bottom
C42M "1.0uF, 25V, 20% X5R" CAPC1608N 40.75,93.75 r90 top
C42P "22uF, 6.3V, X5R, 20%" CAPC1608N_HD 31.375,115.75 r270 top
C42U "0.1uF, 6.3V, X5R" CAPC0603N_B 90.6,15.45 r90 top
C43C "0.22uF, 6.3V, X5R 10%" CAPC0603N_B 46.025,56.5 r0 bottom
C43F "0.1uF, 6.3V, X5R" CAPC0603N_B 21.975,53.85 r315 bottom
C43M "47uF, 6.3V, 20% X5R" CAPC3216N 49.8,81.775 r0 bottom
C43P "22uF, 6.3V, X5R, 20%" CAPC1608N_HD 18.075,115.075 r270 top
C43U "0.1uF, 6.3V, X5R" CAPC0603N_B 90.6,7.55 r270 top
C44C "0.22uF, 6.3V, X5R 10%" CAPC0603N_B 46,62.9 r0 bottom
C44F "0.1uF, 6.3V, X5R" CAPC0603N_B 23.75,52.1 r0 bottom
C44M "47uF, 6.3V, 20% X5R" CAPC3216N 35.525,81.85 r180 bottom
C44P "22uF, 6.3V, X5R, 20%" CAPC1608N_HD 19.4,115.075 r270 top
C44U "0.1uF, 6.3V, X5R" CAPC0603N_B 92.375,12.325 r180 bottom
C45C "0.22uF, 6.3V, X5R 10%" CAPC0603N_B 46.05,55.7 r0 bottom
C45F "0.1uF, 6.3V, X5R" CAPC0603N_B 15.45,60.875 r180 bottom
C45M "47uF, 6.3V, 20% X5R" CAPC3216N 50.725,93.35 r0 top
C45P "4.7uF, 10V, X5R, 10%" CAPC1608N_HD 28.875,108.75 r180 bottom
C45U "4.7uF, 10V, X5R, 10%" CAPC1608N 93.75,18.5 r90 bottom
C46C "0.22uF, 6.3V, X5R 10%" CAPC0603N_B 46,57.3 r0 bottom
C46F "0.1uF, 6.3V, X5R" CAPC0603N_B 20.7,52.6 r270 bottom
C46M "0.01uF, 10V, X5R, 10%" CAPC0603N_B 39.675,93 r90 top
C46P "1.0uF, 25V, 20% X5R" CAPC1608N_HD 26.425,103.175 r90 bottom
C46U "0.1uF, 6.3V, X5R" CAPC0603N_B 98.7,17.5 r0 top
C47C "0.22uF, 6.3V, X5R 10%" CAPC0603N_B 46,58.9 r0 bottom
C47F "0.1uF, 6.3V, X5R" CAPC0603N_B 24.5,57.125 r0 bottom
C47M "0.01uF, 10V, X5R, 10%" CAPC0603N_B 42.6,93 r90 top
C47P "1.0uF, 25V, 20% X5R" CAPC1608N_HD 25.75,100.325 r180 top
C47U "0.1uF, 6.3V, X5R" CAPC0603N_B 102.875,13.375 r0 top
C48C "0.22uF, 6.3V, X5R 10%" CAPC0603N_B 46,61.3 r0 bottom
C48F "0.1uF, 6.3V, X5R" CAPC0603N_B 15.1,53.775 r270 bottom
C48M "0.01uF, 10V, X5R, 10%" CAPC0603N_B 35.35,93 r90 top
C48P "10uF, 10V, X5R, 20%" CAPC1608N 22.8,100.05 r180 top
C48U "1.0uF, 25V, 20% X5R" CAPC1608N 117.975,20.225 r180 bottom
C49C "0.22uF, 6.3V, X5R 10%" CAPC0603N_B 46,58.1 r0 bottom
C49F "1.0uF, 25V, 20% X5R" CAPC1608N 27.05,65.95 r180 bottom
C49M "0.01uF, 10V, X5R, 10%" CAPC0603N_B 40.2,85.45 r90 bottom
C49P "10uF, 10V, X5R, 20%" CAPC1608N 28.9,96.775 r270 top
C49U "0.1uF, 25V, X5R" CAPC1005N 111.05,13 r90 bottom
C50C "10uF, 10V, X5R, 20%" CAPC1608N_HD 44.775,51.475 r180 bottom
C50F "10uF, 10V, X5R, 20%" CAPC1608N 19.75,61.05 r90 bottom
C50M "0.01uF, 10V, X5R, 10%" CAPC0603N_B 35.475,83.425 r180 bottom
C50P "0.1uF, 6.3V, X5R" CAPC0603N_B 27.775,100.85 r270 top
C50U "220uF, 10V, VS D" ALCAP_D 103.3,19.45 r270 top
C51C "22uF, 6.3V, X5R, 20%" CAPC1608N_HD 47,60.125 r0 bottom
C51F "0.1uF, 6.3V, X5R" CAPC0603N_B 21.875,58.975 r0 bottom
C51M "0.01uF, 10V, X5R, 10%" CAPC0603N_B 48,93 r90 top
C51P "1.0uF, 25V, 20% X5R" CAPC1608N_HD 24.9,103.175 r90 bottom
C51U "10uF, 10V, X5R, 20%" CAPC1608N 77.7,14 r0 bottom
C52C "47uF, 6.3V, 20% X5R" CAPC3216N 43.225,49.75 r180 bottom
C52F "0.1uF, 6.3V, X5R" CAPC0603N_B 18.65,60.15 r90 bottom
C52M "0.01uF, 10V, X5R, 10%" CAPC0603N_B 44.4,93 r90 top
C52P "10uF, 10V, X5R, 20% (DNP)" CAPC1608N 25.8,95.15 r270 bottom
C52U "10uF, 10V, X5R, 20%" CAPC1608N 78.8,7.85 r0 bottom
C53C "0.22uF, 6.3V, X5R 10%" CAPC0603N_B 44.75,56.5 r180 bottom
C53F "0.1uF, 6.3V, X5R" CAPC0603N_B 18.875,59 r0 bottom
C53M "0.01uF, 10V, X5R, 10%" CAPC0603N_B 46.2,93 r90 top
C53P "10uF, 10V, X5R, 20% (DNP)" CAPC1608N 27.325,95.15 r270 bottom
C53U "8.2 pF, NP0" CAPC1005N 91.925,11.3 r180 bottom
C54C "0.22uF, 6.3V, X5R 10%" CAPC0603N_B 44.7,58.9 r180 bottom
C54F "0.1uF, 6.3V, X5R" CAPC0603N_B 22.8,54.95 r0 bottom
C54M "1.0uF, 25V, 20% X5R" CAPC1608N 19.775,95.1 r270 top
C54P "0.1uF, 6.3V, X5R" CAPC0603N_B 32.825,108.25 r45 top
C54U "8.2 pF, NP0" CAPC1005N 96.8,11.3 r180 bottom
C55C "0.22uF, 6.3V, X5R 10%" CAPC0603N_B 44.75,55.7 r180 bottom
C55F "0.1uF, 6.3V, X5R" CAPC0603N_B 19.35,54.8 r180 bottom
C55M "10uF, 10V, X5R, 20%" CAPC1608N 9.875,97.925 r180 top
C55P "0.1uF, 6.3V, X5R" CAPC0603N_B 32.2,105.925 r270 top
C55U "1.0uF, 25V, 20% X5R" CAPC1608N 80.8,14 r180 bottom
C56C "0.22uF, 6.3V, X5R 10%" CAPC0603N_B 44.7,58.1 r180 bottom
C56F "0.1uF, 6.3V, X5R" CAPC0603N_B 20.675,57.1 r90 bottom
C56M "10uF, 10V, X5R, 20%" CAPC1608N 9.7,94.825 r180 top
C56P "0.1uF, 6.3V, X5R" CAPC0603N_B 32.2,109.65 r90 top
C56U "1.0uF, 25V, 20% X5R" CAPC1608N 80.7,17.25 r90 bottom
C57C "0.22uF, 6.3V, X5R 10%" CAPC0603N_B 46.075,55 r0 bottom
C57F "0.1uF, 6.3V, X5R" CAPC0603N_B 19.325,57.25 r180 bottom
C57P "0.1uF, 6.3V, X5R" CAPC0603N_B 19.175,107.975 r90 top
C58C "0.22uF, 6.3V, X5R 10%" CAPC0603N_B 44.7,57.3 r180 bottom
C58F "0.1uF, 6.3V, X5R" CAPC0603N_B 19.325,56.55 r0 bottom
C58P "0.1uF, 6.3V, X5R" CAPC0603N_B 19.175,105.025 r270 top
C59C "0.22uF, 6.3V, X5R 10%" CAPC0603N_B 44.9,55 r180 bottom
C59F "0.1uF, 6.3V, X5R" CAPC0603N_B 20.675,55.5 r270 bottom
C59P "0.1uF, 6.3V, X5R" CAPC0603N_B 26.425,111.95 r90 top
C60C "22uF, 6.3V, X5R, 20%" CAPC1608N_HD 44.45,60.125 r180 bottom
C60F "1.0uF, 25V, 20% X5R" CAPC1608N 17.3,56.175 r270 bottom
C60P "0.1uF, 6.3V, X5R" CAPC0603N_B 29.675,101.15 r180 bottom
C61C "10uF, 10V, X5R, 20%" CAPC1608N_HD 63.475,55.3 r90 bottom
C61F "10uF, 10V, X5R, 20%" CAPC1608N 22.875,60.075 r180 bottom
C62C "0.22uF, 6.3V, X5R 10%" CAPC0603N_B 51.3,62.1 r180 bottom
C62F "10uF, 10V, X5R, 20%" CAPC1608N 16.9,45.85 r180 bottom
C63C "0.01uF, 10V, X5R, 10%" CAPC0603N_B 54.075,63.375 r270 bottom
C63F "10uF, 10V, X5R, 20%" CAPC1608N 16.9,47.35 r180 bottom
C64C "0.01uF, 10V, X5R, 10%" CAPC0603N_B 54.3,53.8 r270 bottom
C64F "0.1uF, 6.3V, X5R" CAPC0603N_B 56.25,104.45 r270 top
C65C "22uF, 6.3V, X5R, 20%" CAPC1608N_HD 56.975,58.475 r0 bottom
C65F "4.7uF, 10V, X5R, 10%" CAPC1608N 20.05,45.5 r180 bottom
C66C "0.22uF, 6.3V, X5R 10%" CAPC0603N_B 50.725,54.025 r0 bottom
C66F "0.1uF, 6.3V, X5R" CAPC0603N_B 51.2,109.15 r180 top
C67C "10uF, 10V, X5R, 20%" CAPC1608N_HD 59.575,57.15 r180 bottom
C67F "0.1uF, 6.3V, X5R" CAPC0603N_B 19.65,34.9 r270 bottom
C68C "0.22uF, 6.3V, X5R 10%" CAPC0603N_B 53.05,56.55 r0 bottom
C68F "4.7uF, 10V, X5R, 10%" CAPC1608N 31.075,35.675 r270 bottom
C69C "2.2uF, 25V, 10% X5R" CAPC1608N_HD 60.8,52.75 r270 bottom
C69F "0.1uF, 25V, X5R" CAPC1005N 29.775,35.875 r270 bottom
C70C "0.22uF, 6.3V, X5R 10%" CAPC0603N_B 53.175,54 r0 bottom
C70F "4.7uF, 10V, X5R, 10%" CAPC1608N 33.45,35.825 r0 bottom
C71C "0.22uF, 6.3V, X5R 10%" CAPC0603N_B 47.8,49.025 r0 bottom
C71F "0.1uF, 25V, X5R" CAPC1005N 36.65,33.95 r270 bottom
C72C "0.22uF, 6.3V, X5R 10%" CAPC0603N_B 48.25,53.975 r0 bottom
C72F "1.0uF, 25V, 20% X5R" CAPC1608N 20.3,13.4 r270 top
C73C "0.22uF, 6.3V, X5R 10%" CAPC0603N_B 43.75,54.5 r90 bottom
C73F "1.0uF, 25V, 20% X5R" CAPC1608N 32.95,9.35 r90 top
C74C "0.22uF, 6.3V, X5R 10%" CAPC0603N_B 58.15,50.65 r0 bottom
C74F "1.0uF, 25V, 20% X5R" CAPC1608N 39.15,35.65 r0 top
C75C "0.22uF, 6.3V, X5R 10%" CAPC0603N_B 43.1,62.4 r90 bottom
C75F "0.1uF, 6.3V, X5R" CAPC0603N_B 68.25,104.7 r180 top
C76C "0.22uF, 6.3V, X5R 10%" CAPC0603N_B 46.35,53.725 r270 bottom
C77C "0.22uF, 6.3V, X5R 10%" CAPC0603N_B 43.6,58.1 r0 bottom
C78C "0.22uF, 6.3V, X5R 10%" CAPC0603N_B 53.075,55.625 r180 bottom
C79C "0.22uF, 6.3V, X5R 10%" CAPC0603N_B 47.1,54.6 r90 bottom
C80C "10uF, 10V, X5R, 20%" CAPC1608N_HD 53.9,50.5 r0 bottom
C81C "0.22uF, 6.3V, X5R 10%" CAPC0603N_B 53.175,53.325 r0 bottom
C82C "0.22uF, 6.3V, X5R 10%" CAPC0603N_B 54.025,59.8 r180 bottom
C84C "0.22uF, 6.3V, X5R 10%" CAPC0603N_B 45.5,53.725 r270 bottom